# Altium PCB 16SoundsUSB.PcbDoc (part 3 of 4) (continued)
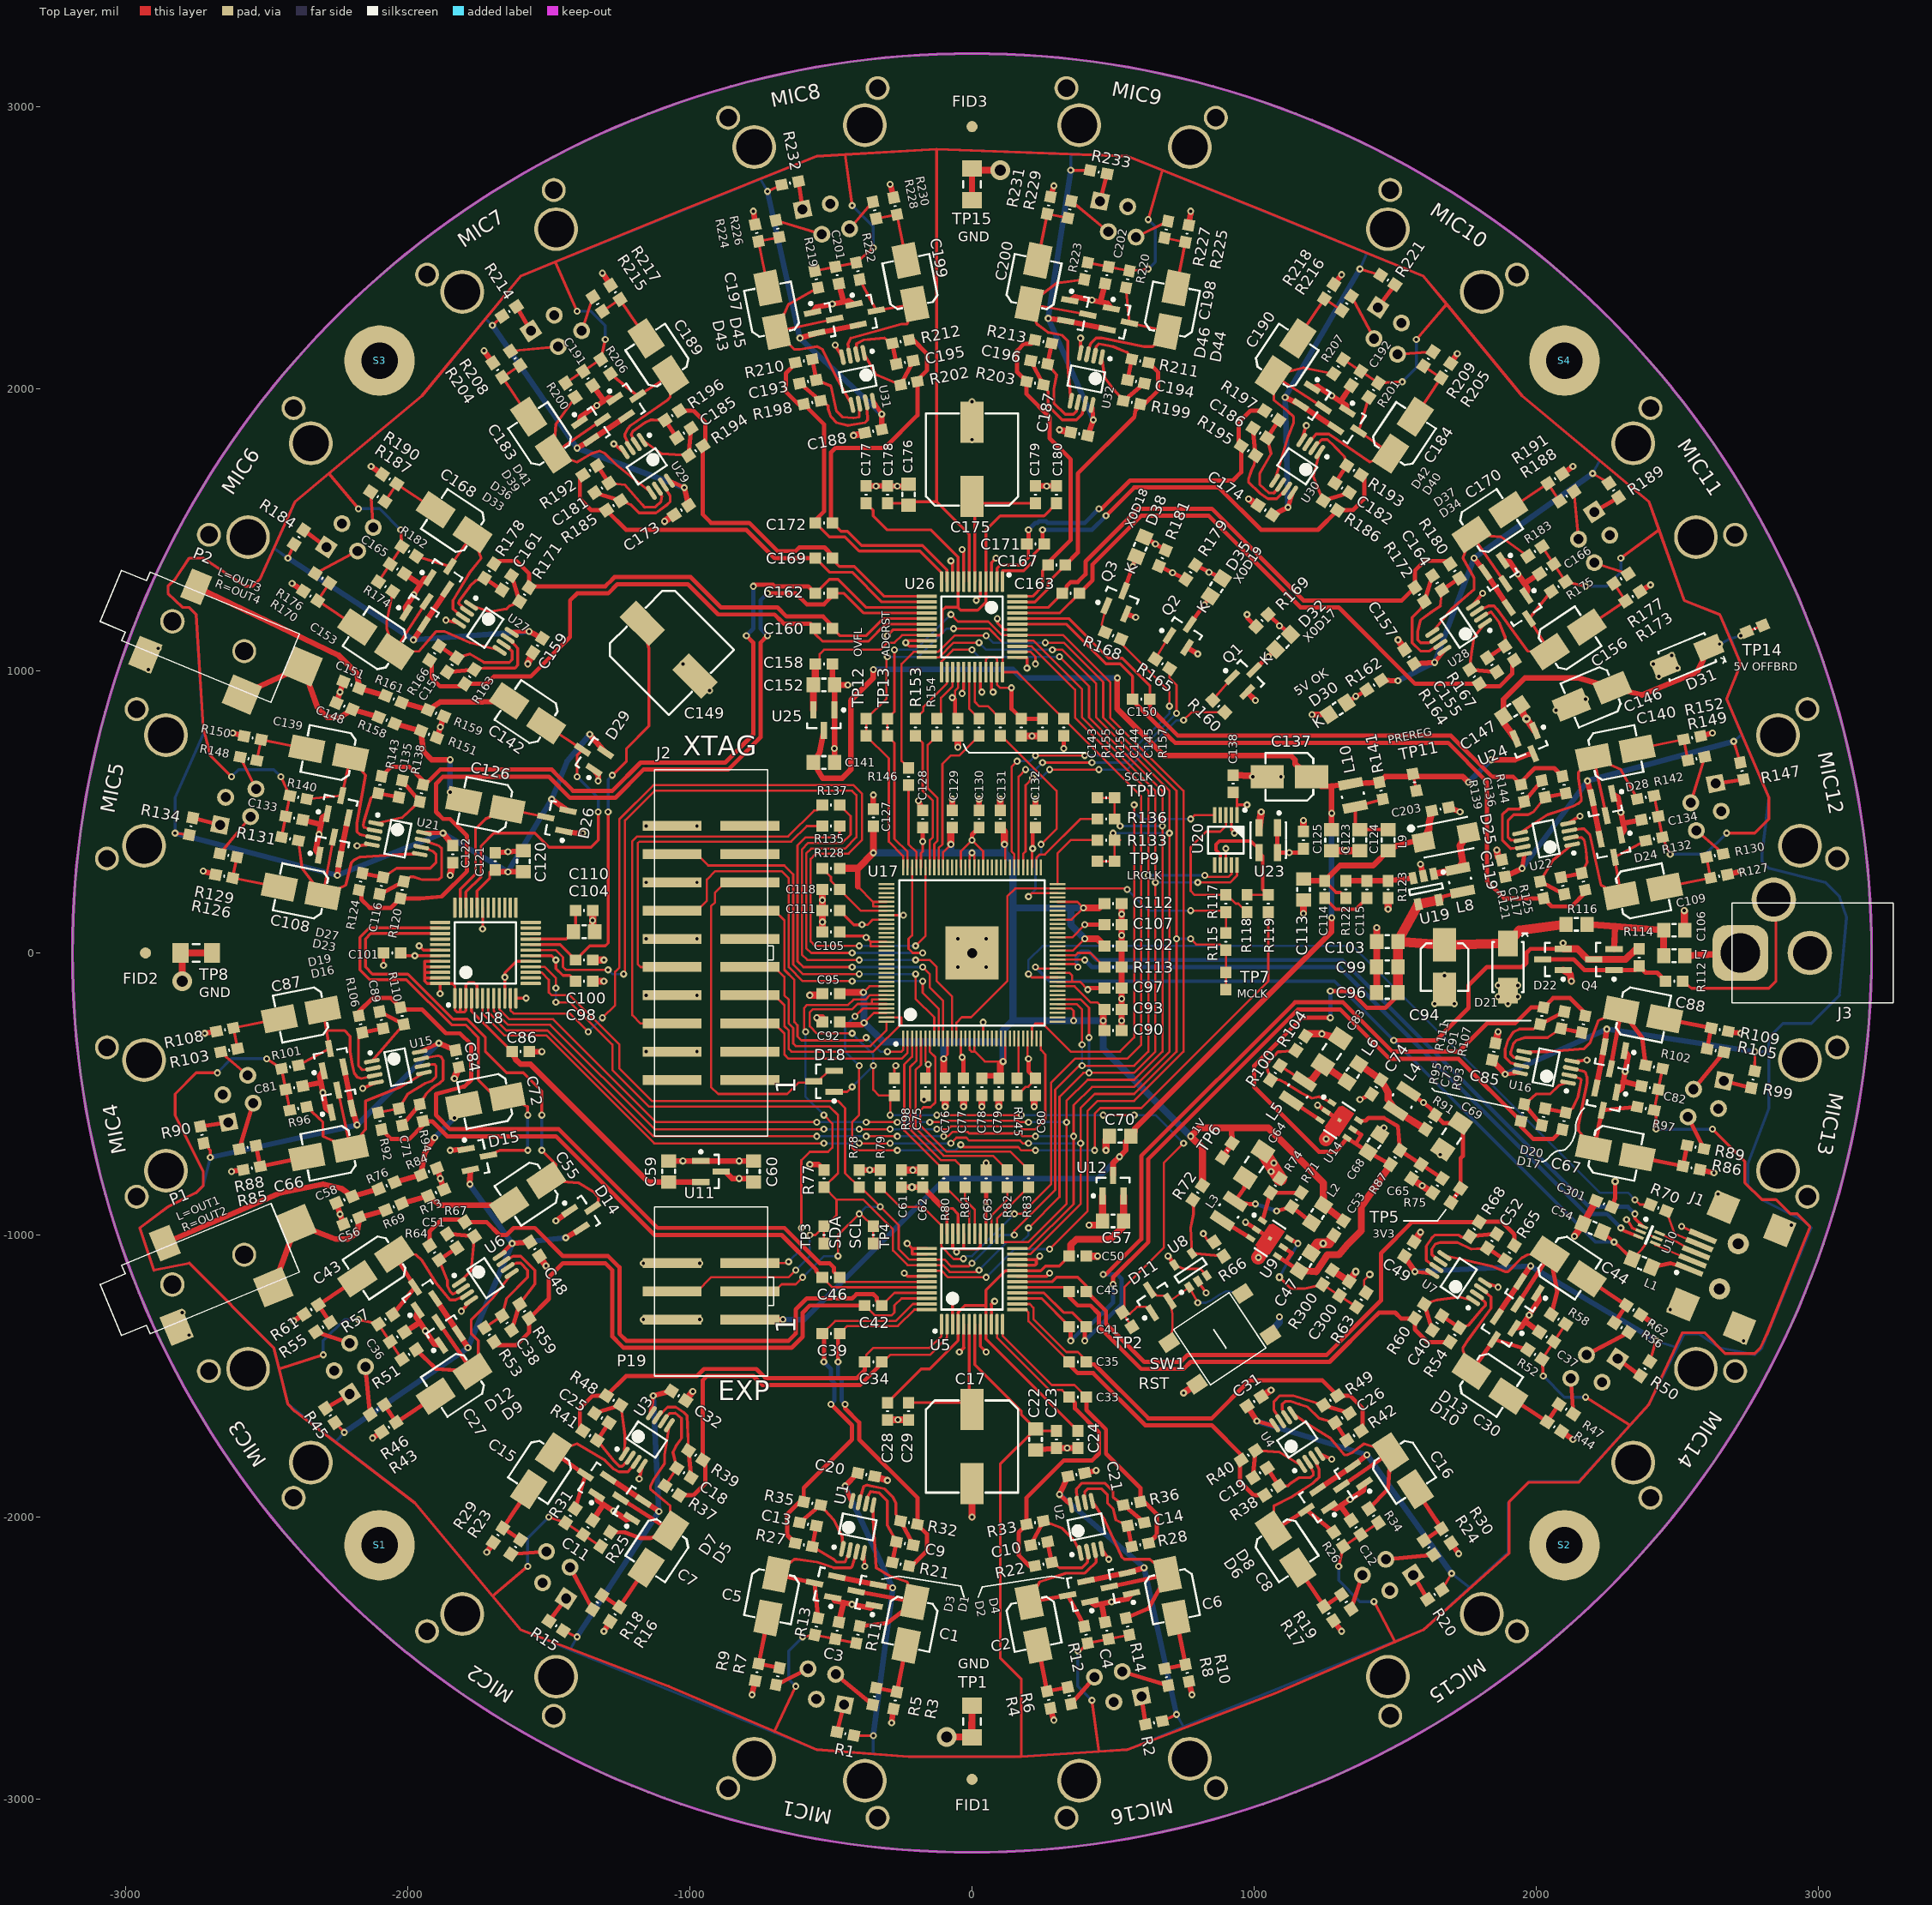
[diagram p0: Top Layer view]
## Nets (pads, with @x,y where several pads share a name; then routed paths per layer and width w, separated by ;. In a path a pad name is that pad's centre, name@x,y a point inside that pad or via, vN(x,y) a via of type N, cw(c..) or ccw(c..) an arc to the next point about the centre after c; other vN are vias at no path point) (continued)
IN4_N: C172.2 R198.2 R210.2 U26.12 | length 1214.3
  Top Layer w10: C172.2@-555.51,1525 -505.51,1475 -450,1475 -400,1425 -185,1425 -108.27,1348.27 U26.12@-108.27,1316.54
  Top Layer w15: R210.2@-625.88,2093.11 -625.88,2089.12 -660,2055 -660,1990 -616,1946 R198.2@-596.62,1946 -525,1874.38 -525,1565 -555.51,1534.49 C172.2@-555.51,1525
IN4_P: C172.1 R202.2 R212.2 U26.11 | length 1445.5
  Top Layer w10: C172.1@-494.49,1525 -464.49,1495 -441.72,1495 -391.72,1445 -175,1445 -105,1375 -105,1374.64 -90.36,1360 -90,1360 -88.58,1358.58 U26.11@-88.58,1316.54
  Top Layer w15: C172.1@-494.49,1525 -500,1530.51 -500,1775 -485,1790 -310,1790 -193.5,1906.5 R202.2@-193.5,2026.18 -193.5,2031.5 -160,2065 -160,2125 -208.3,2173.3 R212.2@-222.76,2173.3
IN5_N: C167.2 R203.2 R213.2 U26.48 | length 1138.1
  Top Layer w10: U26.48@160.43,1264.37 214.37,1264.37 250,1300 250,1355.51 C167.2@269.49,1375
  Top Layer w15: R213.2@222.76,2173.3 209.46,2160 185,2160 160,2135 160,2059.68 R203.2@193.49,2026.18 193.49,1981.51 275,1900 275,1825 350,1750 350,1464 269.49,1383.49 C167.2@269.49,1375
IN5_P: C167.1 R199.2 R211.2 U26.47 | length 1111.7
  Top Layer w10: U26.47@160.75,1244.37 222.65,1244.37 270,1291.72 270,1314.49 C167.1@330.51,1375
  Top Layer w15: C167.1@330.51,1375 375,1419.49 375,1700 575,1900 580,1925 R199.2@596.62,1946 611,1946 660,1995 660,2059 R211.2@625.88,2093.11
IN6_N: C171.2 R195.2 R197.2 U26.2 | length 1395.2
  Top Layer w10: U26.2@88.58,1316.54 88.58,1363.58 100,1375 175,1375 200,1400 C171.2@200,1444.49
  Top Layer w15: C171.2@200,1455.51 v1(200,1500) ; v1(450,1575) 460,1575 560,1675 925,1675 954.15,1704.15 R195.2@954.15,1797.9 945,1807.06 945,1880 987.62,1922.62 R197.2@1037.49,1922.62
  Bottom Layer w15: v1(200,1500) 225,1525 232.57,1525 237.57,1530 262.43,1530 267.43,1525 400,1525 v1(450,1575)
IN6_P: C171.1 R186.2 R193.2 U26.1 | length 1681.4
  Top Layer w10: U26.1@108.27,1316.54 108.27,1354.98 183.28,1355 220,1391.72 220,1414.49 C171.1@255.51,1450
  Top Layer w15: C171.1@250,1455.51 v1(250,1500) ; v1(475,1550) 575,1650 875,1650 1025,1500 1226.36,1500 R186.2@1295.91,1569.55 1349.55,1569.55 1390,1610 1390,1683.51 R193.2@1379.24,1694.27
  Bottom Layer w15: v1(250,1500) 425,1500 v1(475,1550)
IN7_N: C163.2 R172.2 R180.2 U26.46 | length 1942.4
  Top Layer w10: U26.46@160.43,1225 269.49,1225 C163.2@319.49,1275
  Top Layer w15: C163.2@319.49,1275 335,1290.51 335,1300 350,1315 375,1315 402.36,1342.36 402.36,1387.72 425,1410.36 589.64,1575 850,1575 1175,1250 1523.64,1250 R172.2@1569.55,1295.91 1569.55,1354.55 1605,1390 1683.51,1390 R180.2@1694.27,1379.24
IN7_P: C163.1 R164.2 R167.2 U26.45 | length 2249.7
  Top Layer w10: U26.45@160.43,1205.31 310.83,1205.31 C163.1@380.51,1275
  Top Layer w15: C163.1@380.51,1275 427.36,1321.85 427.36,1377.36 600,1550 839.64,1550 1164.64,1225 1300,1225 1570.85,954.15 R164.2@1797.9,954.15 1807.06,945 1870,945 1915,990 1915,1029.87 R167.2@1922.62,1037.49
IN8_N: C150.2 R139.2 R144.2 U26.44 | length 2264.2
  Top Layer w10: U26.44@160.43,1185.63 342.65,1185.63 483.28,1045 533.28,1045 630.51,947.77 C150.2@630.51,900
  Top Layer w15: C150.2@630.51,900 630.51,869.49 730,770 1697.68,770 1842.68,625 1917.62,625 R139.2@1946,596.62 1946,606 1995,655 2064,655 R144.2@2093.11,625.88
IN8_P: C150.1 R121.2 R125.2 U26.43 | length 2713.3
  Top Layer w10: U26.43@160.43,1165.94 334.06,1165.94 475,1025 525,1025 569.49,980.51 C150.1@569.49,900
  Top Layer w15: C150.1@569.49,900 569.49,895.16 704.64,760 719.64,745 1687.32,745 1825,607.32 1825,255 1886.5,193.5 R121.2@2026.18,193.5 2054.68,165 2125,165 2173.3,213.3 R125.2@2173.3,222.76
IN9_N: C41.2 R107.2 R111.2 U5.16 | length 3148.3
  Top Layer w10: U5.16@160.43,-1205.31 255.32,-1205.31 325,-1275 355.51,-1275 C41.2@405.51,-1325
  Top Layer w15: v1(400,-1375) C41.2@400,-1330.51 ; v1(464.64,-1139.64) 475,-1139.64 600,-1014.64 600,-720 1145,-175 1315.36,-175 1490.36,-350 1725,-350 1825.21,-249.79 1925,-249.79 ; 1925,-250 1981.51,-193.49 R111.2@2026.18,-193.49 2059.68,-160 2120,-160 2173.3,-213.3 R107.2@2173.3,-222.76
  Bottom Layer w15: v1(400,-1375) 530,-1245 530,-1155 514.64,-1139.64 v1(464.64,-1139.64)
IN9_P: C41.1 R93.2 R95.2 U5.15 | length 2942.2
  Top Layer w10: U5.15@160.43,-1225 246.72,-1225 344.49,-1322.77 C41.1@344.49,-1325
  Top Layer w15: v1(350,-1375) C41.1@350,-1330.51 ; v1(500,-1175) 500,-1150 625,-1025 625,-730.36 1155.36,-200 1305,-200 1480.62,-375.62 1725,-375.62 R95.2@1946,-596.62 1946,-616 1990,-660 2059,-660 R93.2@2093.11,-625.88
  Bottom Layer w15: v1(350,-1375) 400,-1325 414.64,-1325 500,-1239.64 v1(500,-1175)
IN10_N: C45.2 R65.2 R68.2 U5.18 | length 2293.2
  Top Layer w10: U5.18@160.43,-1165.94 284.06,-1165.94 300,-1150 375,-1150 405.51,-1180.51 C45.2@405.51,-1200
  Top Layer w15: C45.2@405.51,-1200 475,-1269.49 475,-1314.64 610.36,-1450 739.64,-1450 764.64,-1425 1257.32,-1425 1450,-1232.32 1450,-1064.64 1560.49,-954.15 R68.2@1797.9,-954.15 1798.86,-953.2 1878.2,-953.2 1922.62,-997.62 R65.2@1922.62,-1037.49
IN10_P: C45.1 R54.2 R60.2 U5.17 | length 1841
  Top Layer w10: U5.17@160.43,-1185.63 330.12,-1185.63 C45.1@344.49,-1200
  Top Layer w15: C45.1@344.49,-1200 344.49,-1219.49 375,-1250 420.16,-1250 450,-1279.84 450,-1325 600,-1475 750,-1475 775,-1450 1267.68,-1450 1417.68,-1300 1442.68,-1275 1500,-1275 1520.91,-1295.91 R60.2@1569.55,-1295.91 1569.55,-1334.55 1615.2,-1380.2 1693.32,-1380.2 R54.2@1694.27,-1379.24
IN11_N: C35.2 R42.2 R49.2 U5.14 | length 1594.8
  Top Layer w8: U5.14@160.43,-1244.69 204.69,-1244.69 218,-1258 218,-1298.06 334.94,-1415 375,-1415 398.98,-1438.98 C35.2@398.98,-1450
  Top Layer w15: C35.2@405.51,-1450 413.7,-1458.19 433.19,-1458.19 625,-1650 850,-1650 985,-1515 1241.36,-1515 R49.2@1295.91,-1569.55 1339.55,-1569.55 1385,-1615 1385,-1688.51 R42.2@1379.24,-1694.27
IN11_P: C35.1 R38.2 R40.2 U5.13 | length 1235.2
  Top Layer w8: U5.13@160.43,-1264.37 189.37,-1264.37 200,-1275 200,-1305.51 C35.1@344.49,-1450
  Top Layer w15: C35.1@344.49,-1450 344.49,-1459.49 375,-1490 429.64,-1490 614.64,-1675 850,-1675 954.15,-1779.15 R40.2@954.15,-1797.9 950,-1802.05 950,-1875 997.62,-1922.62 R38.2@1037.49,-1922.62
IN12_N: C33.2 R28.2 R36.2 U5.12 | length 1070.4
  Top Layer w8: U5.12@108.27,-1316.54 108.27,-1357.81 282.46,-1532 362.51,-1532 C33.2@405.51,-1575
  Top Layer w15: C33.2@405.51,-1575 405.51,-1620.16 475,-1689.64 475,-1775 596.62,-1896.62 R36.2@596.62,-1946 611,-1946 655,-1990 655,-2064 R28.2@625.88,-2093.11
IN12_P: C33.1 R22.2 R33.2 U5.11 | length 1244.5
  Top Layer w8: U5.11@88.58,-1316.54 88.58,-1363.58 275,-1550 319.49,-1550 C33.1@344.49,-1575
  Top Layer w15: R22.2@222.76,-2173.3 203.3,-2173.3 165,-2135 165,-2055 193.49,-2026.51 R33.2@193.49,-2026.18 193.49,-1931.51 325,-1800 425,-1800 450,-1775 450,-1700 365,-1615 365,-1595.51 C33.1@344.49,-1575
IN13_N: C39.2 R21.2 R32.2 U5.48 | length 1332.1
  Top Layer w8: C39.2@-469.49,-1350 -442.49,-1323 -262.54,-1323 -203.91,-1264.37 U5.48@-160.43,-1264.37
  Top Layer w15: v1(-475,-1450) -475,-1355.51 C39.2@-469.49,-1350 ; v1(-450,-1600) -450,-1614.64 -400,-1664.64 -400,-1725 -193.5,-1931.5 R32.2@-193.5,-2026.18 -160,-2059.68 -160,-2120 -213.3,-2173.3 R21.2@-222.76,-2173.3
  Bottom Layer w15: v1(-475,-1450) -475,-1502.14 -462.5,-1514.64 -462.5,-1587.5 v1(-450,-1600)
IN13_P: C39.1 R27.2 R35.2 U5.47 | length 1318.8
  Top Layer w8: C39.1@-530.51,-1350 -485.51,-1305 -270,-1305 -209.69,-1244.69 U5.47@-160.43,-1244.69
  Top Layer w15: R27.2@-625.88,-2093.11 -655,-2064 -655,-1990 -611,-1946 R35.2@-596.62,-1946 -596.62,-1896.62 -425,-1725 -425,-1675 v1(-500,-1600) ; v1(-525,-1450) C39.1@-525,-1355.51
  Bottom Layer w15: v1(-525,-1450) -500,-1475 -500,-1512.5 -487.5,-1525 -487.5,-1587.5 v1(-500,-1600)
IN14_N: C34.2 R37.2 R39.2 U5.2 | length 1486.4
  Top Layer w8: C34.2@-319.49,-1454.84 -289.64,-1425 -149.54,-1425 -88.58,-1364.04 U5.2@-88.58,-1316.54
  Top Layer w15: R37.2@-1037.49,-1922.62 -987.62,-1922.62 -945,-1880 -945,-1807.06 R39.2@-954.15,-1797.9 -954.15,-1514.51 -939.64,-1500 -775,-1500 -742.68,-1532.32 -396.97,-1532.32 -389.64,-1525 -382.32,-1517.68 -319.49,-1454.84 C34.2@-319.49,-1450
IN14_P: C34.1 R41.2 R48.2 U5.1 | length 1569.6
  Top Layer w8: C34.1@-380.51,-1450 -375,-1444.49 -375,-1425 -350,-1400 -150,-1400 -108.27,-1358.27 U5.1@-108.27,-1316.54
  Top Layer w15: R41.2@-1379.24,-1694.27 -1390,-1683.51 -1390,-1615 -1344.55,-1569.55 R48.2@-1295.91,-1569.55 -1226.36,-1500 -975,-1500 -950,-1475 -764.64,-1475 -732.32,-1507.32 -407.32,-1507.32 -380.51,-1480.51 C34.1@-380.51,-1450
IN15_N: C42.2 R53.2 R59.2 U5.46 | length 2159.9
  Top Layer w8: C42.2@-380.51,-1250 -345.51,-1285 -285,-1285 -275,-1275 -275,-1250 -250,-1225 U5.46@-160.43,-1225
  Top Layer w15: R53.2@-1694.27,-1379.24 -1683.51,-1390 -1615,-1390 -1569.55,-1344.55 R59.2@-1569.55,-1295.91 -1500,-1226.36 -1500,-1150 -1450,-1100 -1300,-1100 -1275,-1125 -1275,-1360.36 -1242.68,-1392.68 -1235.36,-1400 -639.64,-1400 -632.32,-1392.68 -607.32,-1367.68 -600,-1360.36 -600,-1275 -575,-1250 C42.2@-380.51,-1250
IN15_P: C42.1 R64.2 R67.2 U5.45 | length 2325.7
  Top Layer w8: C42.1@-319.49,-1250 -274.8,-1205.31 U5.45@-160.43,-1205.31
  Top Layer w15: R64.2@-1922.62,-1037.49 -1922.62,-987.62 -1880,-945 -1807.06,-945 R67.2@-1797.9,-954.15 -1720.85,-954.15 -1675,-1000 -1650,-1000 -1625,-975 -1550,-975 -1450,-1075 -1289.64,-1075 -1250,-1114.64 -1250,-1350 -1225,-1375 -650,-1375 -625,-1350 -625,-1264.64 -592.68,-1232.32 -585.36,-1225 -425,-1225 -410,-1210 -349.49,-1210 -337.24,-1222.24 -337.24,-1232.24 C42.1@-319.49,-1250
IN16_N: C46.2 R92.2 R94.2 U5.44 | length 2228.7
  Top Layer w8: C46.2@-530.51,-1150 -494.88,-1185.63 U5.44@-160.43,-1185.63
  Top Layer w15: R92.2@-2093.11,-625.88 -2059,-660 -1995,-660 -1946,-611 R94.2@-1946,-596.62 -1913.73,-596.62 -1860.36,-650 -1475,-650 -1125,-1000 -675,-1000 -552.36,-1122.64 -552.36,-1128.15 C46.2@-530.51,-1150
IN16_P: C46.1 R106.2 R110.2 U5.43 | length 2832.5
  Top Layer w8: C46.1@-469.49,-1150 -453.54,-1165.94 U5.43@-160.43,-1165.94
  Top Layer w15: R106.2@-2173.3,-222.76 -2173.3,-208.3 -2125,-160 -2059.68,-160 R110.2@-2026.18,-193.5 -2019.68,-200 -1950,-200 -1865,-285 -1815,-285 -1775,-325 -1775,-450 -1799.8,-474.8 -1804.36,-474.8 -1804.57,-475 -1900,-500 -1900,-575 -1850,-625 -1464.64,-625 -1114.64,-975 -664.64,-975 -539.64,-1100 -505,-1100 -489.74,-1115.26 -489.74,-1129.74 C46.1@-469.49,-1150
LRCLK: R133.1 TP9.1 TP9.2 U5.24 U18.7 U26.24 | length 5839.4
  Top Layer w8: U18.7@-1715.16,-160.43 -1715.16,-209.84 -1650,-275 -1505,-275 -1130,-650 v1(-550,-650) ; v1(-375,-650) v1(-265,-650) ; U26.24@-160.43,1047.83 -117.17,1047.83 -65,1100 v1(25,1100) ; v1(-100,-650) -85,-650 -69,-634 -16,-634 -10,-640 170,-640 180,-650 v1(225,-650) ; U5.24@160.43,-1047.83 202.17,-1047.83 360,-890 v1(360,-650) 360,-540 425,-475 575,-475 700,-350 v1(700,425) 700,575 440,835 440,955 320,1075 v1(285,1075) ; TP9.2@444.49,325 TP9.1@505.51,325 R133.1@505.51,400 525,400 v1(500,425)
  Bottom Layer w8: v1(-550,-650) v1(-375,-650) ; v1(-265,-650) v1(-100,-650) ; v1(25,1100) 50,1075 v1(285,1075) ; v1(225,-650) v1(360,-650) ; v1(500,425) v1(700,425)
MCLK_AUDIO: R115.1 R146.2 TP7.1 TP7.2 U5.23 U18.6 U26.23 | length 6396.6
  Top Layer w8: U18.6@-1734.84,-160.43 -1734.84,-215.16 -1658,-292 -1509.92,-292 -1126.92,-675 v1(-525,-675) ; v1(-400,-675) v1(-290,-675) ; R146.2@-225,655.51 -250,680.51 -250,1025 -207.48,1067.52 U26.23@-160.43,1067.52 -119.4,1067.52 -61.92,1125 v1(50,1125) ; v1(-75,-675) -55,-655 -20,-655 -10,-665 170,-665 180,-675 v1(200,-675) ; U5.23@160.43,-1067.52 207.48,-1067.52 385,-890 385,-550 435,-500 575,-500 725,-350 725,575 465,835 465,960 325,1100 v1(260,1100) ; v1(775,50) 795,30 879.49,30 R115.1@900,9.49 TP7.1@900,-69.49 TP7.2@900,-130.51
  Bottom Layer w8: v1(-525,-675) v1(-400,-675) ; v1(-290,-675) v1(-75,-675) ; v1(50,1125) 75,1100 v1(260,1100) ; v1(200,-675) v1(385,-675) ; v1(725,50) v1(775,50)
MCLK_XCORE: R115.2 R117.2 U17.13 U17.63 | length 1487.8
  Top Layer w8: U17.13@-55.12,-303.15 -55.12,-247.12 -36,-228 -3,-228 125,-100 125,200 153.35,228.35 U17.63@303.15,228.35 v1@546.65,228.35 ; v1(775,150) 894.49,150 R117.2@900,144.49 R115.2@900,70.51
  Bottom Layer w8: v1(550,225) 625,150 v1(775,150)
NetC1_+: C1.+ D1.3 R11.1 U1.5 | length 853.1
  Top Layer w10: U1.5@-350.27,-1957.67 -350,-2010 -340,-2180 -290,-2210 -230,-2230 C1.+@-202.78,-2300.91
  Top Layer w15: D1.3@-410.87,-2263.33 C1.+@-202.78,-2300.91 -300,-2375 R11.1@-398.46,-2387.63
NetC1_-: C1.- R3.2 R5.2 | length 243.5
  Top Layer w15: R5.2@-339.94,-2606 R3.2@-266.38,-2620.63 C1.-@-233.5,-2455.36
NetC2_+: C2.+ D2.3 R12.2 U2.3 | length 607.4
  Top Layer w10: C2.+@202.78,-2300.91 240,-2230 330,-2200 400,-2199.08 410,-2190 440,-2160 440,-2150 U2.3@434.26,-2117.58
  Top Layer w15: C2.+@202.78,-2300.91 D2.3@339.43,-2277.54 R12.2@398.46,-2387.63
NetC2_-: C2.- R4.2 R6.2 | length 240.7
  Top Layer w15: C2.-@233.5,-2455.36 R4.2@265.84,-2617.93 R6.2@339.4,-2603.3
NetC5_+: C5.+ D3.3 R13.2 U1.3 | length 612
  Top Layer w10: C5.+@-693.17,-2203.36 -630,-2150 -620,-2150 -550,-2160 -490,-2180 -430,-2180 -425,-2175 U1.3@-409.16,-2122.58
  Top Layer w15: C5.+@-693.17,-2203.36 D3.3@-557.98,-2234.07 R13.2@-545.58,-2358.37
NetC5_-: C5.- R7.2 R9.2 | length 240.7
  Top Layer w15: C5.-@-723.9,-2357.82 R9.2@-756.23,-2520.38 R7.2@-682.67,-2535.01
NetC6_+: C6.+ D4.3 R14.1 U2.5 | length 847.7
  Top Layer w10: U2.5@425.56,-1942.69 470,-2010 530,-2140 540,-2150 630,-2150 C6.+@693.17,-2203.36
  Top Layer w15: D4.3@486.55,-2248.28 C6.+@693.17,-2203.36 625,-2325 R14.1@545.58,-2358.37
NetC6_-: C6.- R8.2 R10.2 | length 243.5
  Top Layer w15: R8.2@683.21,-2537.72 R10.2@756.77,-2523.09 C6.-@723.9,-2357.82
NetC7_+: C7.+ D5.3 R25.1 U3.5 | length 855.5
  Top Layer w10: U3.5@-1072.77,-1674.61 -1090,-1780 -1090,-1810 -1130,-1870 -1140,-1890 -1140,-1900 -1130,-1910 -1070,-1960 C7.+@-1067.87,-2048.16
  Top Layer w15: R25.1@-1281.84,-2053.4 -1230,-2055 -1175,-2075 -1140,-2075 C7.+@-1067.87,-2048.16 D5.3@-1245.73,-1933.82
NetC7_-: C7.- R16.2 R18.2 | length 243.5
  Top Layer w15: R18.2@-1311.33,-2277.54 R16.2@-1248.97,-2319.21 C7.-@-1155.36,-2179.1
NetC8_+: C8.+ D6.3 R26.2 U4.3 | length 615.1
  Top Layer w10: C8.+@1067.87,-2048.16 1070,-1960 1130,-1930 1209.34,-1879.34 1219.34,-1869.34 1230,-1860 1230,-1830 U4.3@1211.57,-1790.21
  Top Layer w15: C8.+@1067.87,-2048.16 D6.3@1185.17,-1974.28 R26.2@1281.84,-2053.4
NetC8_-: C8.- R17.2 R19.2 | length 240.7
  Top Layer w15: C8.-@1155.36,-2179.1 R17.2@1247.44,-2316.92 R19.2@1309.8,-2275.25
NetC9_1: C9.1 R21.1 U1.6 | length 330.3
  Top Layer w10: U1.6@-374.26,-1936.53 -365,-1920 -360,-1910 -328.77,-1914.43 -300,-1943.2 -300,-2030 C9.1@-267.98,-2087.84
  Top Layer w15: R21.1@-282.61,-2161.4 C9.1@-267.98,-2087.84
NetC9_2: C9.2 R32.1 U1.7 | length 366.2
  Top Layer w10: U1.7@-400.46,-1947.68 -383.65,-1890.4 -371.9,-1886.9 -310,-1900 -280,-1930 -270,-1950 -270,-1990 R32.1@-253.35,-2014.28
  Top Layer w15: R32.1@-253.35,-2014.28 C9.2@-208.13,-2099.74
NetC10_1: C10.1 R22.1 U2.2 | length 253.8
  Top Layer w10: R22.1@282.61,-2161.4 310,-2180 390,-2180 410,-2160 U2.2@409.16,-2122.58
  Top Layer w15: C10.1@267.98,-2087.84 R22.1@282.61,-2161.4
NetC10_2: C10.2 R33.1 U2.1 | length 278
  Top Layer w10: R33.1@253.35,-2014.28 320,-2040 360,-2080 U2.1@384.06,-2127.57
  Top Layer w15: C10.2@208.13,-2099.74 R33.1@253.35,-2014.28
NetC13_1: C13.1 R27.1 U1.2 | length 252.7
  Top Layer w10: R27.1@-566.03,-2105.02 -490,-2150 -480,-2160 -450,-2160 U1.2@-434.26,-2117.58
  Top Layer w15: R27.1@-566.03,-2105.02 C13.1@-551.4,-2031.46
NetC13_2: C13.2 R35.1 U1.1 | length 276.4
  Top Layer w10: R35.1@-536.77,-1957.9 -490,-2010 -460,-2070 U1.1@-459.36,-2112.59
  Top Layer w15: C13.2@-611.25,-2019.56 R35.1@-536.77,-1957.9
NetC14_1: C14.1 R28.1 U2.6 | length 351.3
  Top Layer w10: U2.6@400.46,-1947.68 400,-1910 410,-1900 460,-1900 480,-1920 480,-1950 500,-1970 510,-2010 C14.1@551.4,-2031.46
  Top Layer w15: C14.1@551.4,-2031.46 R28.1@566.03,-2105.02
NetC14_2: C14.2 R36.1 U2.7 | length 366.6
  Top Layer w10: U2.7@375.37,-1952.68 370,-1910 370,-1900 390,-1880 470,-1880 500,-1910 500,-1930 R36.1@536.77,-1957.9
  Top Layer w15: R36.1@536.77,-1957.9 C14.2@611.25,-2019.56
NetC15_+: C15.+ D7.3 R31.2 U3.3 | length 610.3
  Top Layer w10: C15.+@-1483.6,-1770.38 -1400,-1740 -1300,-1800 -1270,-1830 -1250,-1840 -1220,-1840 U3.3@-1190.29,-1804.42
  Top Layer w15: C15.+@-1483.6,-1770.38 D7.3@-1370.45,-1850.48 R31.2@-1406.56,-1970.06
NetC15_-: C15.- R23.2 R29.2 | length 240.7
  Top Layer w15: R23.2@-1600.82,-2080.8 R29.2@-1663.18,-2039.13 C15.-@-1571.09,-1901.32
NetC16_+: C16.+ D8.3 R34.1 U4.5 | length 858.1
  Top Layer w10: U4.5@1136.6,-1631.96 1190,-1670 1270,-1720 1320,-1780 1330,-1780 1350,-1770 1390,-1740 C16.+@1483.6,-1770.38
  Top Layer w15: D8.3@1309.89,-1890.94 C16.+@1483.6,-1770.38 1475,-1900 R34.1@1406.56,-1970.06
NetC16_-: C16.- R24.2 R30.2 | length 243.5
  Top Layer w15: C16.-@1571.09,-1901.32 R30.2@1664.71,-2041.42 R24.2@1602.35,-2083.09
NetC17_+: C17.+ C29.1 U5.6 | length 526.5
  Top Layer w10: C29.1@-225,-1594.49 -23.62,-1594.49 C17.+@-9.84,-1608.27 ; U5.6@-9.84,-1316.54 C17.+@-9.84,-1608.27 ; C17.+@0,-1618.11 C17.+@-9.84,-1608.27
NetC18_1: C18.1 R37.1 U3.6 | length 345.7
  Top Layer w10: U3.6@-1094.05,-1660.39 -1072.27,-1632.27 -1051.94,-1631.94 -1030,-1650 -1030,-1720 -1050,-1750 -1060,-1770 C18.1@-1046.56,-1826.36 R37.1@-1088.23,-1888.72
NetC18_2: C18.2 R39.1 U3.7 | length 351.3
  Top Layer w10: U3.7@-1115.33,-1646.17 -1079.15,-1610 -1050,-1610 -1020,-1630 -1010,-1640 R39.1@-1004.89,-1764
  Top Layer w15: R39.1@-1004.89,-1764 C18.2@-995.82,-1860.26
NetC19_1: C19.1 R38.1 U4.2 | length 261.8
  Top Layer w10: R38.1@1088.23,-1888.72 1120,-1890 1130,-1880 1160,-1860 1200,-1860 1210,-1850 1210,-1840 U4.2@1190.29,-1804.43
  Top Layer w15: C19.1@1046.56,-1826.36 R38.1@1088.23,-1888.72
NetC19_2: C19.2 R40.1 U4.1 | length 274.8
  Top Layer w10: R40.1@1004.89,-1764 1090,-1770 U4.1@1169.01,-1818.64
  Top Layer w15: C19.2@995.82,-1860.26 R40.1@1004.89,-1764
NetC24_1: C24.1 C28.1 C50.1 C57.1 U5.4 U5.9 U5.20 U12.2 | length 1893.2
  Top Layer w10: C28.1@-300,-1594.49 -180.51,-1475 -150,-1475 -49.21,-1374.21 U5.4@-49.21,-1316.54 -49.21,-1274.21 -25,-1250 49.21,-1250 ; C50.1@344.49,-1075 309.49,-1110 260,-1110 243.43,-1126.57 U5.20@160.43,-1126.57 118.43,-1126.57 49.21,-1195.79 49.21,-1250 ; C24.1@375,-1694.49 49.21,-1368.7 U5.9@49.21,-1316.54 49.21,-1250
  Top Layer w25: C50.1@344.49,-1075 350,-1069.49 350,-1035 370,-1015 490,-1015 537.4,-967.6 C57.1@537.4,-950 U12.2@537.4,-861.42
NetC25_1: C25.1 R41.1 U3.2 | length 247.1
  Top Layer w10: R41.1@-1328.5,-1728.17 -1270,-1800 -1250,-1820 -1240,-1820 U3.2@-1211.57,-1790.21
  Top Layer w15: R41.1@-1328.5,-1728.17 C25.1@-1286.84,-1665.81
NetC25_2: C25.2 R48.1 U3.1 | length 270.4
  Top Layer w10: R48.1@-1245.17,-1603.45 -1230,-1710 -1230,-1730 U3.1@-1232.85,-1775.99
  Top Layer w15: C25.2@-1337.57,-1631.91 R48.1@-1245.17,-1603.45
NetC26_1: C26.1 R42.1 U4.6 | length 338.3
  Top Layer w10: U4.6@1115.33,-1646.17 1100,-1620 1100,-1600 1110,-1590 1130,-1590 1160,-1600 1190,-1610 1230,-1650 C26.1@1286.83,-1665.81
  Top Layer w15: C26.1@1286.83,-1665.81 R42.1@1328.5,-1728.17
NetC26_2: C26.2 R49.1 U4.7 | length 362.3
  Top Layer w10: U4.7@1094.05,-1660.39 1070,-1620 1070,-1590 1090,-1570 1140,-1570 R49.1@1245.17,-1603.45
  Top Layer w15: R49.1@1245.17,-1603.45 C26.2@1337.57,-1631.91
NetC27_+: C27.+ D9.3 R51.1 U6.5 | length 859.3
  Top Layer w10: C27.+@-1770.38,-1483.6 -1750,-1463.22 -1750,-1375 -1775,-1350 -1775,-1300 -1700,-1225 U6.5@-1631.96,-1136.6
  Top Layer w15: R51.1@-1970.06,-1406.56 -1900,-1475 C27.+@-1770.38,-1483.6 D9.3@-1890.94,-1309.89
NetC27_-: C27.- R43.2 R46.2 | length 243.5
  Top Layer w15: R46.2@-2083.09,-1602.35 R43.2@-2041.42,-1664.71 C27.-@-1901.32,-1571.09
NetC30_+: C30.+ D10.3 R52.2 U7.3 | length 611.6
  Top Layer w10: C30.+@1770.38,-1483.6 1740,-1410 1740,-1400 1760,-1370 1840,-1260 1840,-1220 U7.3@1804.42,-1190.29
  Top Layer w15: C30.+@1770.38,-1483.6 D10.3@1850.48,-1370.45 R52.2@1970.06,-1406.56
NetC30_-: C30.- R44.2 R47.2 | length 240.7
  Top Layer w15: C30.-@1901.32,-1571.09 R44.2@2039.13,-1663.18 R47.2@2080.8,-1600.82
NetC38_1: C38.1 R53.1 U6.6 | length 334.9
  Top Layer w10: R53.1@-1728.17,-1328.5 C38.1@-1665.81,-1286.83 -1650,-1225 -1575,-1150 -1575,-1125 -1600,-1100 -1615,-1100 U6.6@-1628.71,-1105.19
NetC38_2: C38.2 R59.1 U6.7 | length 370.8
  Top Layer w10: U6.7@-1660.39,-1094.05 -1625,-1075 -1600,-1075 -1550,-1125 -1550,-1175 R59.1@-1603.45,-1245.17
  Top Layer w15: C38.2@-1631.91,-1337.57 R59.1@-1603.45,-1245.17
NetC40_1: C40.1 R54.1 U7.2 | length 251.4
  Top Layer w10: R54.1@1728.17,-1328.5 1760,-1320 1810,-1260 1820,-1250 1820,-1240 U7.2@1790.21,-1211.57
  Top Layer w15: C40.1@1665.81,-1286.83 R54.1@1728.17,-1328.5
NetC40_2: C40.2 R60.1 U7.1 | length 274
  Top Layer w10: R60.1@1603.45,-1245.17 1650,-1230 1730,-1220 U7.1@1775.99,-1232.84
  Top Layer w15: R60.1@1603.45,-1245.17 C40.2@1631.91,-1337.57
NetC43_+: C43.+ D12.3 R57.2 U6.3 | length 606.3
  Top Layer w10: C43.+@-2048.16,-1067.87 -1970,-1070 -1950,-1090 -1900,-1170 -1850,-1230 -1830,-1230 U6.3@-1790.21,-1211.57
  Top Layer w15: R57.2@-2053.4,-1281.84 D12.3@-1974.28,-1185.17 C43.+@-2048.16,-1067.87
NetC43_-: C43.- R55.2 R61.2 | length 240.7
  Top Layer w15: R55.2@-2275.25,-1309.8 R61.2@-2316.92,-1247.44 C43.-@-2179.1,-1155.36
NetC44_+: C44.+ D13.3 R58.1 U7.5 | length 835.6
  Top Layer w10: U7.5@1674.61,-1072.77 1750,-1090 1840,-1110 1890,-1130 1900,-1130 1950,-1080 1970,-1070 C44.+@2048.16,-1067.87
  Top Layer w15: D13.3@1933.82,-1245.73 C44.+@2048.16,-1067.87 2075,-1200 R58.1@2053.4,-1281.84
NetC44_-: C44.- R56.2 R62.2 | length 243.5
  Top Layer w15: C44.-@2179.1,-1155.36 R62.2@2319.21,-1248.97 R56.2@2277.54,-1311.33
NetC51_1: C51.1 R64.1 U6.2 | length 249.5
  Top Layer w10: R64.1@-1888.72,-1088.23 -1860,-1160 -1860,-1180 -1850,-1200 -1840,-1210 U6.2@-1804.43,-1190.29
  Top Layer w15: R64.1@-1888.72,-1088.23 C51.1@-1826.36,-1046.56
NetC51_2: C51.2 R67.1 U6.1 | length 279.3
  Top Layer w10: U6.1@-1818.64,-1169.01 -1775,-1125 R67.1@-1764,-1004.89
  Top Layer w15: C51.2@-1860.26,-995.82 R67.1@-1764,-1004.89
NetC52_1: C52.1 R65.1 U7.6 | length 345.9
  Top Layer w10: U7.6@1660.39,-1094.05 1630,-1070 1630,-1050 1641.94,-1031.94 1660,-1026.75 1720,-1026.45 1770,-1050 C52.1@1826.36,-1046.56
  Top Layer w15: C52.1@1826.36,-1046.56 R65.1@1888.72,-1088.23
NetC52_2: C52.2 R68.1 U7.7 | length 367.9
  Top Layer w10: U7.7@1646.17,-1115.33 1610,-1090 1610,-1040 1630,-1010 1640,-1000 1725,-1000 1735,-1007.79 R68.1@1764,-1004.89
  Top Layer w15: R68.1@1764,-1004.89 C52.2@1860.26,-995.82
NetC55_+: C55.+ D14.3 U18.39 | length 1808.3
  Top Layer w10: U18.39@-1885.43,68.9 -2131.1,68.9 -2150,50 -2150,-50 -2125,-75 -2000,-75 -1840,-235 -1790,-235 -1725,-300 -1725,-350 -1650,-425 -1590,-425 -1525,-490 v1(-1525,-575) ; v1(-1525,-700) -1475,-750 -1475,-771.72 C55.+@-1509.53,-806.25 -1395,-815 -1345,-845 -1325,-865 -1325,-880 D14.3@-1344.72,-904.77
  Bottom Layer w10: v1(-1525,-700) v1(-1525,-575)
NetC55_-: C55.- R69.1 R73.2 | length 396.4
  Top Layer w20: R69.1@-2021.81,-888.32 R73.2@-1928.19,-861.68 -1885,-895 -1770,-895 C55.-@-1640.47,-893.75
NetC56_1: C56.1 P1.2 P1.4 R69.2 | length 623
  Top Layer w20: P1.2@-2476.98,-1185 P1.4@-2394.9,-961.37 -2255,-1015 -2215,-1015 -2180,-995 C56.1@-2171.81,-938.32 R69.2@-2078.19,-911.68
NetC58_1: C58.1 P1.3 R76.2 | length 813
  Top Layer w20: P1.3@-2861.27,-1028.84 -2450,-850 -2300,-820 -2235,-835 C58.1@-2196.81,-863.32 R76.2@-2103.19,-836.68
NetC59_1: C59.1 C86.1 U11.2 U18.4 | length 1108.7
  Top Layer w10: U18.4@-1774.21,-160.43 -1774.21,-206.3 C86.1@-1630.51,-350
  Top Layer w20: C86.1@-1630.51,-359.49 -1620,-370 -1620,-375 -1600,-395 -1565,-395 -1147.6,-812.4 C59.1@-1075,-812.4 U11.2@-961.42,-812.4
NetC64_1: C64.1 L2.1 L3.2 R71.1 | length 390.6
  Top Layer w15: C64.1@968.83,-796.65 965,-835 L3.2@933.6,-880.6 985,-890 v1(1005,-890) ; v1(1080,-915) R71.1@1133.05,-900.37 L2.1@1204.22,-956.1
  Bottom Layer w15: v1(1005,-890) v1(1080,-915)
NetC65_1: C65.1 R75.1 R87.2 U14.6 | length 416.9
  Top Layer w15: U14.6@1370.78,-593.9 1395,-595 1405,-585 1460,-585 1510,-615 R87.2@1516.95,-699.63 C65.1@1591.95,-749.63 R75.1@1666.95,-799.63
NetC66_+: C66.+ D16.3 R96.1 U15.5 | length 863.4
  Top Layer w10: R96.1@-2358.37,-545.58 -2301.22,-599.99 -2300,-650 C66.+@-2203.37,-693.17 ; D16.3@-2248.28,-486.55 C66.+@-2203.37,-693.17 ; U15.5@-1942.69,-425.56 -2025,-475 -2150,-525 -2150,-625 C66.+@-2203.37,-693.17
NetC66_-: C66.- R85.2 R88.2 | length 243.5
  Top Layer w15: R88.2@-2537.72,-683.21 R85.2@-2523.09,-756.77 C66.-@-2357.82,-723.9
NetC67_+: C67.+ D17.3 R97.2 U16.3 | length 610.7
  Top Layer w10: U16.3@2122.58,-409.16 2170,-420 2175,-425 2180,-440 2180,-460 2150,-610 2150,-630 C67.+@2203.36,-693.17
  Top Layer w15: C67.+@2203.36,-693.17 D17.3@2234.07,-557.98 R97.2@2358.37,-545.58
NetC67_-: C67.- R86.2 R89.2 | length 240.7
  Top Layer w15: C67.-@2357.82,-723.9 R86.2@2520.38,-756.23 R89.2@2535.01,-682.67
NetC71_1: C71.1 R92.1 U15.6 | length 343
  Top Layer w10: R92.1@-2105.02,-566.03 C71.1@-2031.46,-551.4 -2000,-500 -1937.75,-462.25 -1915.33,-454.67 -1900,-439.34 -1900,-400 -1905,-395 -1915,-395 U15.6@-1947.68,-400.46
NetC71_2: C71.2 R94.1 U15.7 | length 374.5
  Top Layer w10: R94.1@-1957.9,-536.77 -1935,-500 -1915,-480 -1903.59,-471.41 -1885,-460 -1875,-450 -1875,-380 -1880,-370 -1890,-365 -1895,-365 U15.7@-1952.68,-375.37
  Top Layer w15: C71.2@-2019.56,-611.25 R94.1@-1957.9,-536.77
NetC72_+: C72.+ D15.3 U18.38 | length 1588.9
  Top Layer w10: U18.38@-1885.43,88.58 -2136.42,88.58 -2170,55 -2170,-60 -2135,-95 -2005,-95 -1845,-255 -1795,-255 -1750,-300 -1750,-450 -1690.36,-509.64 C72.+@-1647.77,-509.64 -1575,-545 v1(-1575,-575) ; D15.3@-1714.28,-717.9 -1675,-700 v1(-1575,-700)
  Bottom Layer w10: v1(-1575,-700) v1(-1575,-575)
NetC72_-: C72.- R76.1 R84.2 | length 339.3
  Top Layer w20: R76.1@-2046.81,-813.32 R84.2@-1953.19,-786.68 -1940,-710 v1(-1905,-655)
  Bottom Layer w20: v1(-1905,-655) v1(-1835,-585)
NetC73_1: C73.1 R93.1 U16.2 | length 235.5
  Top Layer w10: R93.1@2105.02,-566.03 2130,-550 2148.63,-508.63 2160,-450 2155,-445 U16.2@2137.35,-438.99
  Top Layer w15: C73.1@2031.46,-551.4 R93.1@2105.02,-566.03
NetC73_2: C73.2 R95.1 U16.1 | length 279.3
  Top Layer w10: R95.1@1957.9,-536.77 2000,-500 2050,-500 2080,-470 U16.1@2112.59,-459.36
  Top Layer w15: R95.1@1957.9,-536.77 C73.2@2019.56,-611.25
NetC74_1: C74.1 L4.1 L6.2 R91.2 | length 346.2
  Top Layer w25: L6.2@1370.78,-393.9 C74.1@1450,-450 1475,-495 1475,-520 L4.1@1502.03,-559.37 R91.2@1608.05,-625.37
NetC83_1: C83.1 L5.2 L6.1 R100.1 | length 300.3
  Top Layer w10: R100.1@1091.95,-399.63 L5.2@1177.97,-455.63
  Top Layer w25: L5.2@1177.97,-455.63 1205,-450 C83.1@1243.83,-396.65 L6.1@1329.22,-456.1
NetC87_+: C87.+ D19.3 R101.2 U15.3 | length 571.1
  Top Layer w10: R101.2@-2387.63,-398.46 D19.3@-2277.54,-339.43 -2288.56,-275 ; C87.+@-2300.91,-202.78 -2288.56,-275 ; U15.3@-2118.81,-433.03 U15.3@-2117.58,-434.26 -2165,-445 -2180,-440 -2190,-425 -2197.08,-395 -2205,-350 -2205,-295 -2225,-275 -2288.56,-275
NetC87_-: C87.- R103.2 R108.2 | length 240.7
  Top Layer w10: R103.2@-2603.3,-339.4 R108.2@-2617.93,-265.84 C87.-@-2455.37,-233.5
NetC88_+: C88.+ D20.3 R102.1 U16.5 | length 848.4
  Top Layer w10: U16.5@1957.67,-350.27 2040,-350 2170,-340 2190,-320 2220,-240 C88.+@2300.91,-202.78
  Top Layer w15: D20.3@2263.33,-410.87 C88.+@2300.91,-202.78 2375,-300 R102.1@2387.63,-398.46